# Altium PCB Audio-Streamer-Mainboard.PcbDoc (part 4 of 7) (continued)
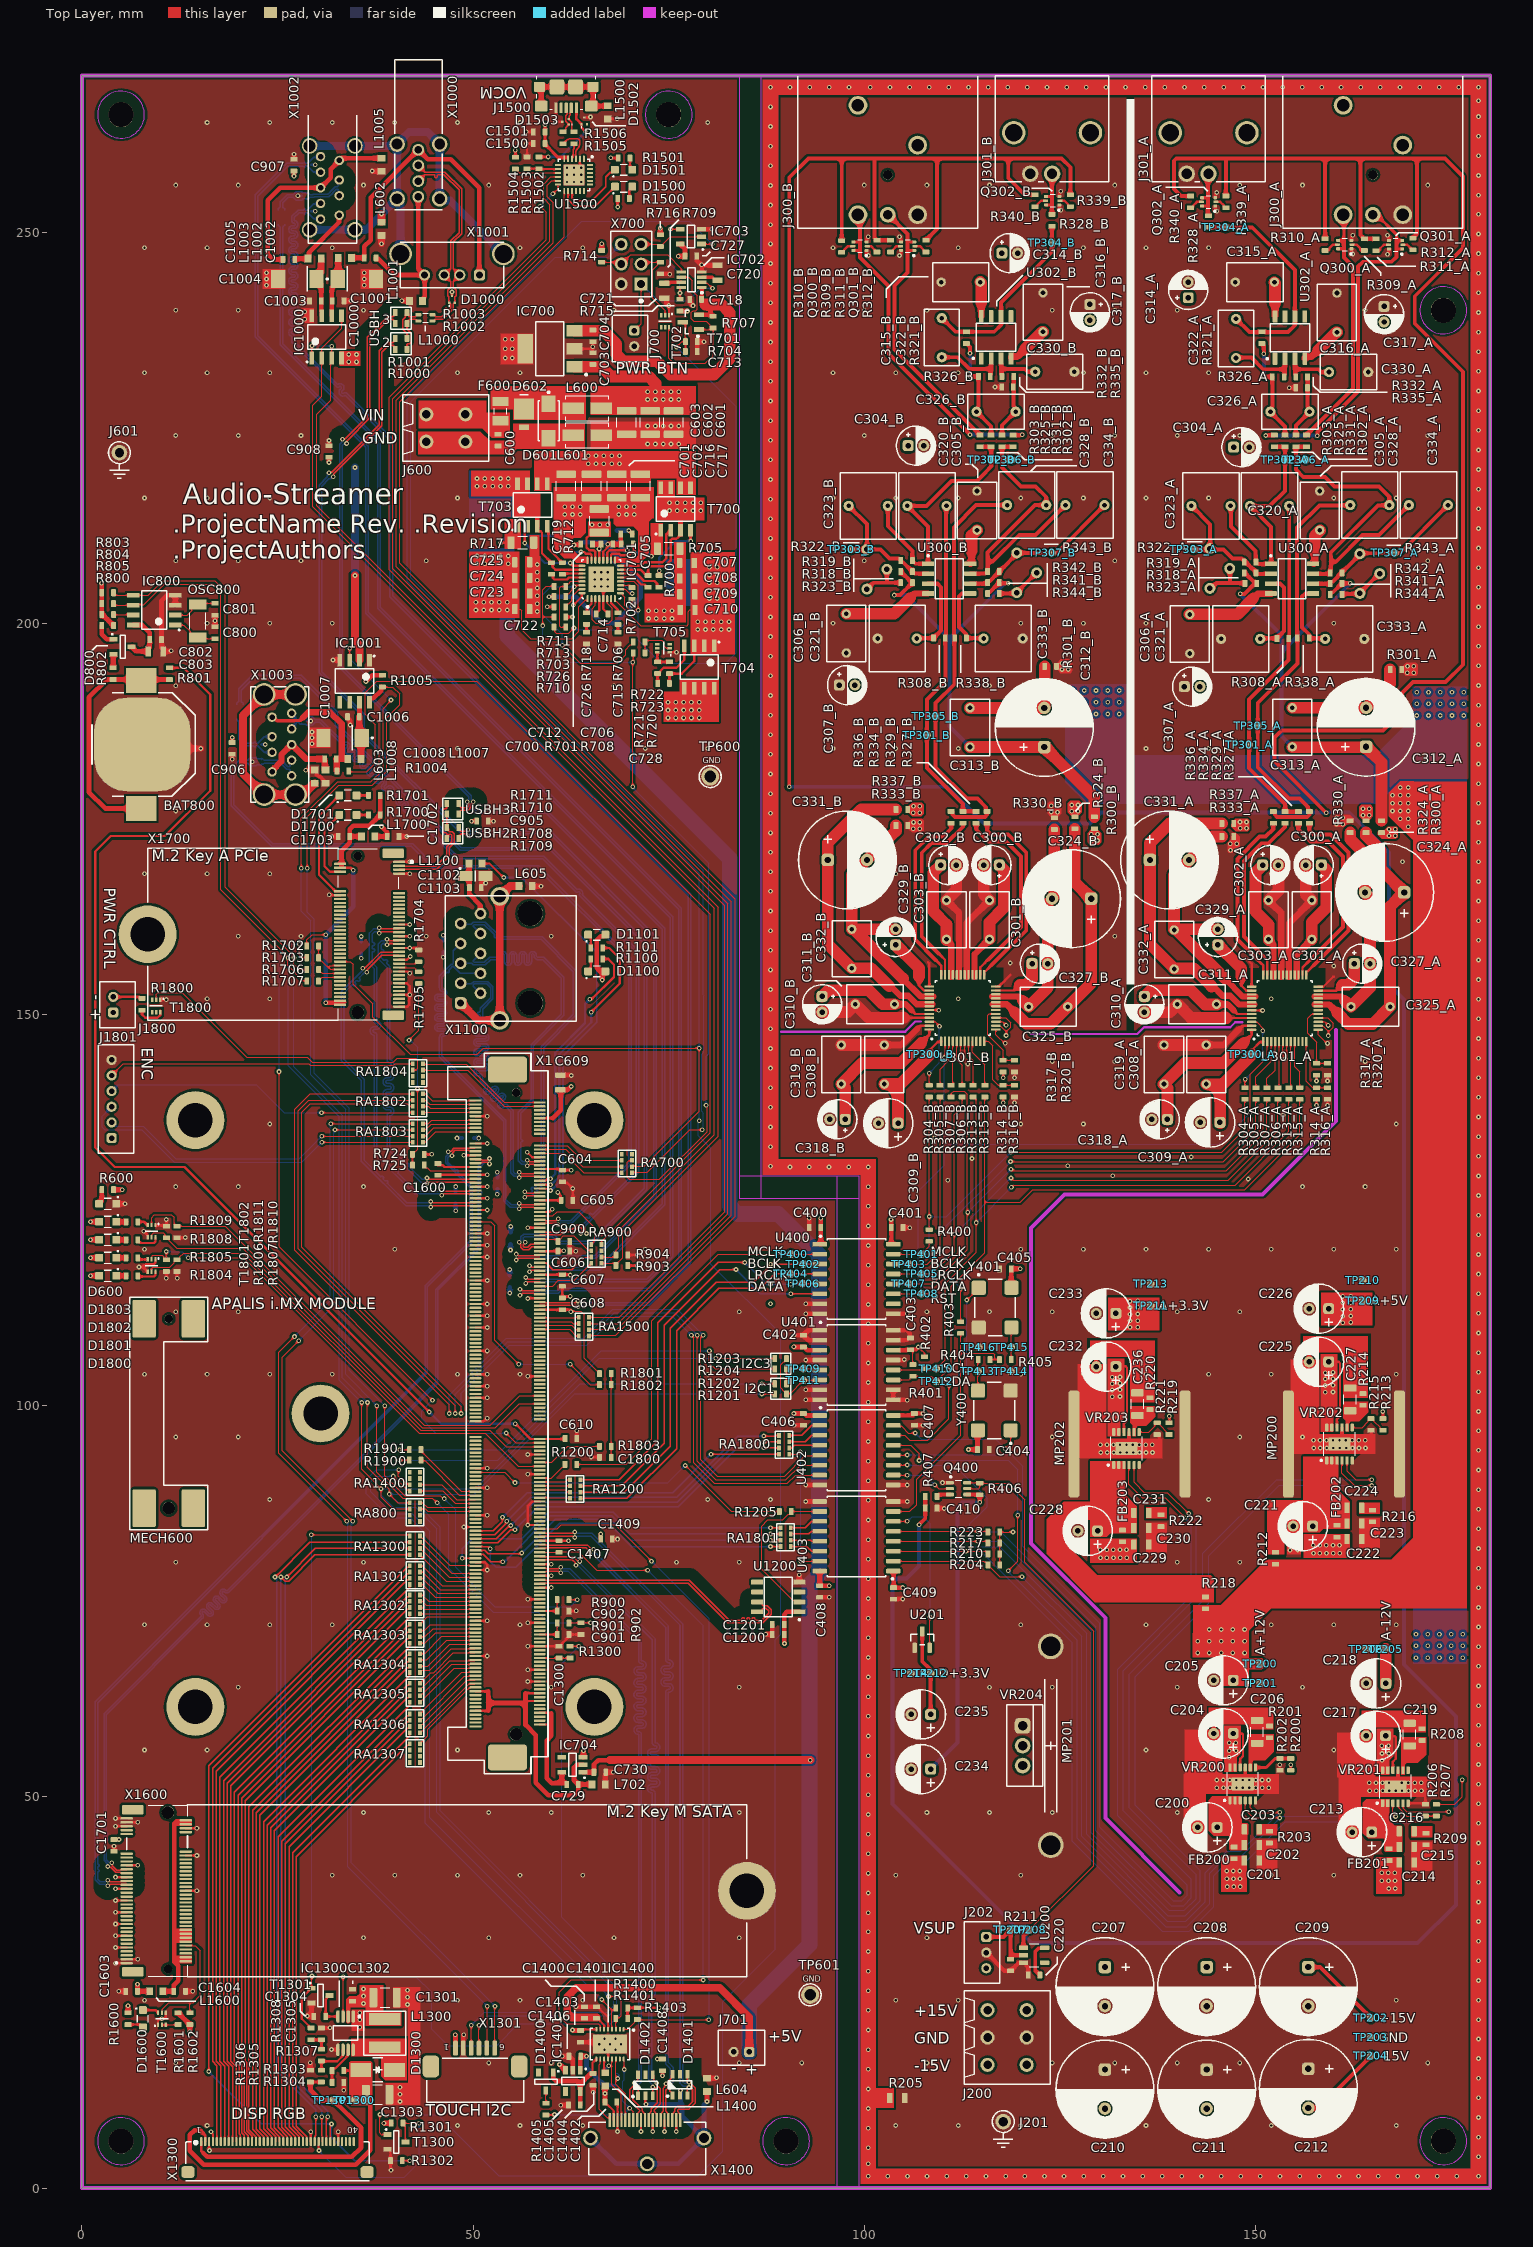
[diagram p0: Top Layer view]
## Nets (pads, with @x,y where several pads share a name; then routed paths per layer and width w, separated by ;. In a path a pad name is that pad's centre, name@x,y a point inside that pad or via, vN(x,y) a via of type N, cw(c..) or ccw(c..) an arc to the next point about the centre after c; other vN are vias at no path point) (continued)
HDMI1_TXD0_N: D1402.3 X1.236 X1400.9 | length 89.4
  Top Layer w0.198: X1.236@58.5,80.25 58.551,80.301 59.371,80.301 59.391,80.321 62.671,80.321 63.073,79.919 63.073,79.677 v1(63.15,79.6) ; X1400.9@72.46,8.7 72.46,9.45 72.611,9.601 72.611,9.638 72.781,9.808 72.781,10.144 73.547,10.91 73.547,12.586 73.278,12.854 73.037,12.854 v1(72.96,12.931) D1402.3@72.96,11.8
  Bottom Layer w0.198: v1(63.15,79.6) 63.227,79.523 63.468,79.523 72.9,70.092 72.9,56.946 ccw(c73.302,56.946) 73.302,56.544 cw(c73.302,56.346) 73.5,56.346 cw(c73.302,56.346) 73.302,56.148 72.856,56.148 ccw(c72.856,55.592) 72.856,55.036 73.302,55.036 cw(c73.302,54.838) 73.5,54.838 cw(c73.302,54.838) 73.302,54.64 72.856,54.64 ccw(c72.856,54.084) 72.856,53.528 73.302,53.528 cw(c73.302,53.33) 73.5,53.33 cw(c73.302,53.33) 73.302,53.132 72.856,53.132 ccw(c72.856,52.576) 72.856,52.02 73.302,52.02 cw(c73.302,51.822) 73.5,51.822 cw(c73.302,51.822) 73.302,51.624 72.856,51.624 ccw(c72.856,51.068) 72.856,50.512 cw(c72.856,50.468) 72.9,50.468 72.9,24.857 72.442,24.399 72.442,13.691 72.883,13.25 72.883,13.008 v1(72.96,12.931)
HDMI1_TXD0_P: D1402.4 X1.234 X1400.7 | length 90.1
  Top Layer w0.198: X1.234@58.5,80.75 58.551,80.699 59.371,80.699 59.391,80.679 62.819,80.679 63.326,80.172 63.568,80.172 v1(63.645,80.095) ; D1402.4@72.96,14.5 73.07,14.39 73.07,13.811 v1(73.455,13.426) 73.532,13.349 73.532,13.107 73.905,12.734 73.905,10.762 73.139,9.996 73.139,9.808 73.309,9.638 73.309,9.601 73.46,9.45 X1400.7@73.46,8.7
  Bottom Layer w0.198: v1(63.645,80.095) 63.722,80.018 63.722,79.776 73.258,70.24 73.258,56.946 ccw(c73.302,56.946) 73.302,56.902 cw(c73.302,56.346) 73.858,56.346 cw(c73.302,56.346) 73.302,55.79 72.856,55.79 ccw(c72.856,55.592) 72.856,55.394 73.302,55.394 cw(c73.302,54.838) 73.858,54.838 cw(c73.302,54.838) 73.302,54.282 72.856,54.282 ccw(c72.856,54.084) 72.856,53.886 73.302,53.886 cw(c73.302,53.33) 73.858,53.33 cw(c73.302,53.33) 73.302,52.774 72.856,52.774 ccw(c72.856,52.576) 72.856,52.378 73.302,52.378 cw(c73.302,51.822) 73.858,51.822 cw(c73.302,51.822) 73.302,51.266 72.856,51.266 ccw(c72.856,51.068) 72.856,50.87 cw(c72.856,50.468) 73.258,50.468 73.258,24.708 72.8,24.25 72.8,13.839 73.136,13.503 73.378,13.503 v1(73.455,13.426)
HDMI1_TXD1_N: D1401.6 X1.230 X1400.6 | length 90.1
  Top Layer w0.198: X1.230@58.5,81.75 58.551,81.801 59.371,81.801 59.391,81.821 64.471,81.821 64.823,81.469 64.823,81.227 v1(64.9,81.15) ; X1400.6@73.96,8.7 73.96,9.45 74.111,9.601 74.111,9.638 74.281,9.808 74.281,12.737 74.499,12.955 74.499,13.088 74.651,13.24 v1(74.651,13.349) 75.328,14.027 75.328,14.399 D1401.6@75.479,14.55
  Bottom Layer w0.198: v1(64.9,81.15) 64.977,81.073 65.219,81.073 74.6,71.692 74.6,67.546 ccw(c75.002,67.546) 75.002,67.144 cw(c75.002,66.946) 75.2,66.946 cw(c75.002,66.946) 75.002,66.748 74.556,66.748 ccw(c74.556,66.192) 74.556,65.636 75.002,65.636 cw(c75.002,65.438) 75.2,65.438 cw(c75.002,65.438) 75.002,65.24 74.556,65.24 ccw(c74.556,64.684) 74.556,64.128 75.002,64.128 cw(c75.002,63.93) 75.2,63.93 cw(c75.002,63.93) 75.002,63.732 ccw(c75.002,63.33) 74.6,63.33 74.6,15.894 75.195,15.299 75.195,13.651 74.97,13.426 74.728,13.426 v1(74.651,13.349)
HDMI1_TXD1_P: D1401.1 X1.228 X1400.4 | length 90.3
  Top Layer w0.198: X1.228@58.5,82.25 58.551,82.199 59.371,82.199 59.391,82.179 64.619,82.179 65.076,81.722 65.318,81.722 v1(65.395,81.645) ; X1400.4@74.96,8.7 74.96,9.45 74.809,9.601 74.809,9.638 74.639,9.808 74.639,12.589 74.647,12.597 74.717,12.597 74.975,12.854 v1(75.146,12.854) 75.146,12.392 75.262,12.276 75.328,12.276 75.479,12.125 D1401.1@75.479,11.85
  Bottom Layer w0.198: v1(65.395,81.645) 65.472,81.568 65.472,81.326 74.958,71.84 74.958,67.546 ccw(c75.002,67.546) 75.002,67.502 cw(c75.002,66.946) 75.558,66.946 cw(c75.002,66.946) 75.002,66.39 74.556,66.39 ccw(c74.556,66.192) 74.556,65.994 75.002,65.994 cw(c75.002,65.438) 75.558,65.438 cw(c75.002,65.438) 75.002,64.882 74.556,64.882 ccw(c74.556,64.684) 74.556,64.486 75.002,64.486 cw(c75.002,63.93) 75.558,63.93 cw(c75.002,63.93) 75.002,63.374 ccw(c75.002,63.33) 74.958,63.33 74.958,16.042 75.553,15.447 75.553,13.503 75.223,13.173 75.223,12.931 v1(75.146,12.854)
HDMI1_TXD2_N: D1401.3 X1.224 X1400.3 | length 90.6
  Top Layer w0.198: X1.224@59.1,83.25 X1.224@58.5,83.25 58.551,83.301 59.371,83.301 59.391,83.321 61.347,83.321 62.72,83.321 62.891,83.15 v1(63,83.15) ; X1400.3@75.46,8.7 75.46,9.45 75.611,9.601 75.611,9.638 75.781,9.808 75.781,10.121 76.113,10.453 77.46,10.453 78.042,11.035 78.042,12.638 v1@77.715,12.965 ; D1401.3@77.379,11.85 v1@77.379,12.85
  Bottom Layer w0.198: v1(63,83.15) 63.109,83.15 63.28,83.321 65.079,83.321 76.442,71.958 76.442,13.434 76.855,13.021 77.32,13.021 77.491,12.85 v1(77.6,12.85)
HDMI1_TXD2_P: D1401.4 X1.222 X1400.1 | length 90.8
  Top Layer w0.198: X1.222@58.5,83.75 58.551,83.699 59.371,83.699 59.391,83.679 61.198,83.679 62.72,83.679 62.891,83.85 v1(63,83.85) ; X1400.1@76.46,8.7 76.46,9.45 76.309,9.601 76.309,9.638 76.139,9.808 76.139,9.973 76.261,10.095 77.608,10.095 78.4,10.887 78.4,12.787 77.637,13.55 v1(77.6,13.55) ; v1@77.379,13.55 D1401.4@77.379,14.55
  Bottom Layer w0.198: v1(63,83.85) 63.109,83.85 63.28,83.679 65.227,83.679 76.8,72.106 76.8,13.582 77.003,13.379 77.32,13.379 77.491,13.55 v1(77.6,13.55)
HDMI1_VDISP: C1402.2 C1406.2 IC1401.1 L1400.2 R1402.2 R1404.2 X1400.18 | length 14.7
  Top Layer w0.25: C1402.2@66.85,10.982 66.85,10.832 67.025,10.657 67.175,10.657 67.96,9.872 X1400.18@67.96,8.7
  Top Layer w0.6: IC1401.1@63.7,15.051 63.7,16.651 63.75,16.701 C1406.2@63.75,16.851 v1(64.5,16.851) ; C1402.2@66.85,10.982 v1(66.85,12.1) 66.85,13.03 L1400.2@66.88,13.06
  Bottom Layer w0.3: R1404.2@66.85,13.05 R1404.2@66.95,13.15 R1402.2@68.3,13.15
  Bottom Layer w0.6: v1(64.5,16.851) 64.5,15.4 66.85,13.05 v1(66.85,12.1)
HDMI1_VDISP_L: IC1400.11 L1400.1 | length 1.8
  Top Layer w0.25: IC1400.11@66.75,16.505 66.75,14.87 L1400.1@66.88,14.74
I2C1_SCL: IC800.6 R804.1 R1202.2 R1707.1 RA800.7 X1301.3 | length 306.3
  Top Layer w0.15: R804.1@4.05,202.5 4.237,202.313 IC800.6@6.55,202.313 6.625,202.388 7.924,202.388 10.536,205 16.824,205 17.775,204.049 17.775,165.925 26.3,157.4 26.3,156.264 28.239,154.325 28.675,154.325 R1707.1@28.75,154.25 ; v1(35.75,100.4) 35.75,91.885 v1(38.235,89.4) 38.235,88.3 39.735,86.8 RA800.7@41.9,86.8 ; X1301.3@49.75,17.9 v1(49.75,20.8) ; v1(86.9,102.8) R1202.2@88.565,102.8
  Bottom Layer w0.15: v1(26.35,157.25) 26.35,143.45 32.9,136.9 32.9,103.25 v1(35.75,100.4) ; v1(49.75,20.8) 51.4,22.45 67.15,22.45 68,23.3 68,25.364 45.35,48.014 45.35,84.3 42.65,87 39.764,87 38.235,88.529 v1(38.235,89.4) 50.3,89.4 63.7,102.8 v1(86.9,102.8)
I2C1_SDA: IC800.5 R803.1 R1201.2 R1706.1 RA800.8 X1301.4 | length 301
  Top Layer w0.15: R803.1@4.05,203.9 4.05,203.808 4.275,203.583 IC800.5@6.55,203.583 8.483,203.583 10.35,205.45 17.01,205.45 18.3,204.16 18.3,166.25 27.1,157.45 27.1,156.4 27.75,155.75 R1706.1@28.75,155.75 ; v1(36.5,100.4) 36.5,92.1 39.3,89.3 v1(39.3,88.7) 40.4,87.6 RA800.8@41.9,87.6 ; X1301.4@50.75,17.9 v1(50.75,20.8) ; v1(86.9,101.5) R1201.2@88.565,101.5
  Bottom Layer w0.15: v1(27.1,157.25) 27.1,143.336 33.3,137.136 33.3,103.6 v1(36.5,100.4) ; v1@39.1,88.7 v1(39.3,88.7) ; v1(50.75,20.8) 51.95,22 67.336,22 68.379,23.043 68.379,25.621 45.8,48.2 45.8,84.486 42.836,87.45 40.55,87.45 v1(39.3,88.7) ; v1(86.9,101.5) 62.974,101.5 50.174,88.7 v1(39.3,88.7)
I2C2_DDC_SCL: IC1400.14 R1402.1 X1400.15 | length 9.5
  Top Layer w0.15: IC1400.14@68.25,16.505 v1@68.25,14 ; v1(68.475,14) v1@68.25,14 ; X1400.15@69.46,8.7 69.46,12.09 68.25,13.3 v1@68.25,14
  Bottom Layer w0.15: R1402.1@68.3,14.65 68.45,14.65 68.675,14.425 68.475,14.225 v1(68.475,14)
I2C2_DDC_SDA: IC1400.13 R1404.1 X1400.16 | length 9.9
  Top Layer w0.15: v1(67.325,15.625) 67.35,15.6 67.75,15.6 ; IC1400.13@67.75,16.505 67.75,15.6 ; X1400.16@68.96,8.7 68.96,11.98 67.75,13.19 67.75,15.6
  Bottom Layer w0.15: R1404.1@66.95,14.65 66.95,15.25 v1(67.325,15.625)
I2C2_SCL: IC1400.3 R1401.1 RA1400.5 | length 92
  Top Layer w0.15: v1(39.8,91) 41.625,89.175 41.825,89.175 RA1400.5@41.9,89.1 ; v1(67.3,24.5) 68.35,24.5 68.95,23.9 68.95,22.05 68.687,21.787 68.341,21.787 R1401.1@68.249,21.695 IC1400.3@68.25,20.295
  Bottom Layer w0.15: v1(39.8,91) 37.6,91 36.9,90.3 36.9,89 39.7,86.2 42.2,86.2 44.45,83.95 44.45,47.35 v1@67.178,24.622 ; v1(67.3,24.5) 67.378,24.5 v1@67.5,24.622
I2C2_SDA: IC1400.4 R1400.1 RA1400.6 | length 93.2
  Top Layer w0.15: v1(40.5,91.8) 40.45,91.8 40.45,90.95 41.425,89.975 41.825,89.975 RA1400.6@41.9,89.9 ; v1(66.435,24.1) 66.435,24.07 67.724,22.781 ; IC1400.4@67.75,20.295 67.724,20.32 67.724,22.781 ; R1400.1@68.336,22.729 68.336,22.958 R1400.1@68.249,23.045 68.249,23.006 68.024,22.781 67.724,22.781
  Bottom Layer w0.15: v1(40.5,91.8) 37.622,91.8 36.35,90.528 36.35,88.772 39.472,85.65 41.972,85.65 43.9,83.722 43.9,46.635 v1(66.435,24.1)
INT#: IC702.5 R714.2 X700.4 | length 12
  Top Layer w0.15: R714.2@66.435,246.15 68.685,246.15 X700.4@68.935,245.9 70.135,247.1 74.847,247.1 76.625,245.322 IC702.5@76.625,244.875
KILL#: IC702.8 IC703.4 R715.2 | length 11.6
  Top Layer w0.15: v1(75.2,250.366) 75.206,250.36 IC703.4@76.485,250.36 ; R715.2@76.435,241.4 v1(76.435,242.2) 76.435,242.8 76.56,242.925 IC702.8@76.625,242.925
  Bottom Layer w0.15: v1(75.2,250.366) 75.2,245.9 76.435,244.665 v1(76.435,242.2)
LCD1_B0: RA1305.7 X1300.21 | length 65.6
  Top Layer w0.165: X1300.21@25.25,5.95 25.25,6.582 24.145,7.687 24.145,46.033 41.604,63.492 41.732,63.492 41.9,63.659 RA1305.7@41.9,63.709
LCD1_B1: RA1305.6 X1300.22 | length 64.7
  Top Layer w0.165: X1300.22@25.75,5.95 25.75,6.582 24.61,7.722 24.61,45.698 41.604,62.692 41.732,62.692 41.9,62.859 RA1305.6@41.9,62.909
LCD1_B2: RA1305.5 X1300.23 | length 63.6
  Top Layer w0.165: X1300.23@26.25,5.95 26.25,6.582 25.075,7.757 25.075,44.902 41.9,61.727 RA1305.5@41.9,62.109
LCD1_B3: RA1306.8 X1300.24 | length 62
  Top Layer w0.165: X1300.24@26.75,5.95 26.75,6.582 25.54,7.792 25.54,44.319 41.604,60.382 41.732,60.382 41.9,60.55 RA1306.8@41.9,60.6
LCD1_B4: RA1306.7 X1300.25 | length 61
  Top Layer w0.165: X1300.25@27.25,5.95 27.25,6.582 26.005,7.827 26.005,43.984 41.604,59.582 41.732,59.582 41.9,59.75 RA1306.7@41.9,59.8
LCD1_B5: RA1306.6 X1300.26 | length 60
  Top Layer w0.165: X1300.26@27.75,5.95 27.75,6.582 26.47,7.862 26.47,43.649 41.604,58.782 41.732,58.782 41.9,58.95 RA1306.6@41.9,59
LCD1_B6: RA1306.5 X1300.27 | length 59
  Top Layer w0.165: X1300.27@28.25,5.95 28.25,6.582 26.935,7.898 26.935,42.853 41.9,57.817 RA1306.5@41.9,58.2
LCD1_B7: RA1307.8 X1300.28 | length 57.5
  Top Layer w0.165: X1300.28@28.75,5.95 28.75,6.582 27.4,7.933 27.4,42.379 41.604,56.582 41.732,56.582 41.9,56.75 RA1307.8@41.9,56.8
LCD1_DE: R1302.2 RA1301.8 X1300.34 | length 110.1
  Top Layer w0.165: v1(16.2,14.9) 16.24,14.94 16.24,53.969 41.604,79.332 41.732,79.332 41.9,79.5 RA1301.8@41.9,79.55 ; X1300.34@31.75,5.95 31.75,7.932 31.9,8.082 v1(31.9,8.2) ; R1302.2@40.95,3.5 v1(41.9,3.5)
  Bottom Layer w0.165: v1(16.2,14.9) 22.9,8.2 v1(31.9,8.2) 31.9,6.5 34.9,3.5 v1(41.9,3.5)
LCD1_G0: RA1303.7 X1300.13 | length 74.6
  Top Layer w0.165: X1300.13@21.25,5.95 21.25,6.692 20.725,7.217 20.725,15.9 20.425,16.2 20.425,49.854 41.604,71.032 41.732,71.032 41.9,71.2 RA1303.7@41.9,71.25
LCD1_G1: RA1303.6 X1300.14 | length 73.6
  Top Layer w0.165: X1300.14@21.75,5.95 21.75,6.637 21.04,7.347 21.04,16.05 20.89,16.2 20.89,49.519 41.604,70.233 41.732,70.233 41.9,70.4 RA1303.6@41.9,70.45
LCD1_G2: RA1303.5 X1300.15 | length 72.6
  Top Layer w0.165: X1300.15@22.25,5.95 22.25,6.582 21.355,7.477 21.355,48.723 41.9,69.268 RA1303.5@41.9,69.65
LCD1_G3: RA1304.8 X1300.16 | length 71.1
  Top Layer w0.165: X1300.16@22.75,5.95 22.75,6.582 21.82,7.512 21.82,48.299 41.604,68.082 41.732,68.082 41.9,68.25 RA1304.8@41.9,68.3
LCD1_G4: RA1304.7 X1300.17 | length 70.1
  Top Layer w0.165: X1300.17@23.25,5.95 23.25,6.582 22.285,7.547 22.285,47.964 41.604,67.282 41.732,67.282 41.9,67.45 RA1304.7@41.9,67.5
LCD1_G5: RA1304.6 X1300.18 | length 69.2
  Top Layer w0.165: X1300.18@23.75,5.95 23.75,6.582 22.75,7.582 22.75,47.629 41.604,66.482 41.732,66.482 41.9,66.65 RA1304.6@41.9,66.7
LCD1_G6: RA1304.5 X1300.19 | length 68.1
  Top Layer w0.165: X1300.19@24.25,5.95 24.25,6.582 23.215,7.617 23.215,46.833 41.9,65.517 RA1304.5@41.9,65.9
LCD1_G7: RA1305.8 X1300.20 | length 66.6
  Top Layer w0.165: X1300.20@24.75,5.95 24.75,6.582 23.68,7.652 23.68,46.368 41.604,64.292 41.732,64.292 41.9,64.459 RA1305.8@41.9,64.509
LCD1_HSYNC: RA1300.5 X1300.32 | length 92.4
  Top Layer w0.165: v1(25.435,78.1) 25.435,78.097 25.964,77.568 26.406,77.568 29.788,80.95 RA1300.5@41.9,80.95 ; v1(30.658,9.1) 30.658,6.675 30.75,6.582 X1300.32@30.75,5.95
  Bottom Layer w0.165: v1(25.435,78.1) 25.435,15.123 30.658,9.9 v1(30.658,9.1)
LCD1_PCLK: RA1300.7 X1300.30 | length 93.4
  Top Layer w0.165: v1(24.685,78.1) 24.685,78.103 29.132,82.55 RA1300.7@41.9,82.55 ; X1300.30@29.75,5.95 29.75,6.582 29.908,6.74 v1(29.908,9.1)
  Bottom Layer w0.165: v1(24.685,78.1) 24.903,77.883 24.903,69.767 24.903,14.997 29.908,9.992 v1(29.908,9.1)
LCD1_R0: RA1301.7 X1300.5 | length 83.5
  Top Layer w0.165: X1300.5@17.25,5.95 17.25,15.655 16.705,16.2 16.705,53.634 41.604,78.532 41.732,78.532 41.9,78.7 RA1301.7@41.9,78.75
LCD1_R1: RA1301.6 X1300.6 | length 82.6
  Top Layer w0.165: X1300.6@17.75,5.95 17.75,15.62 17.17,16.2 17.17,53.299 41.604,77.732 41.732,77.732 41.9,77.9 RA1301.6@41.9,77.95
LCD1_R2: RA1301.5 X1300.7 | length 81.5
  Top Layer w0.165: X1300.7@18.25,5.95 18.25,15.585 17.635,16.2 17.635,52.503 41.9,76.767 RA1301.5@41.9,77.15
LCD1_R3: RA1302.8 X1300.8 | length 80.1
  Top Layer w0.165: X1300.8@18.75,5.95 18.75,15.55 18.1,16.2 18.1,52.079 41.604,75.582 41.732,75.582 41.9,75.75 RA1302.8@41.9,75.8
LCD1_R4: RA1302.7 X1300.9 | length 79.1
  Top Layer w0.165: X1300.9@19.25,5.95 19.25,15.515 18.565,16.2 18.565,51.744 41.604,74.782 41.732,74.782 41.9,74.95 RA1302.7@41.9,75
LCD1_R5: RA1302.6 X1300.10 | length 78.1
  Top Layer w0.165: X1300.10@19.75,5.95 19.75,15.48 19.03,16.2 19.03,51.409 41.604,73.982 41.732,73.982 41.9,74.15 RA1302.6@41.9,74.2
LCD1_R6: RA1302.5 X1300.11 | length 77
  Top Layer w0.165: X1300.11@20.25,5.95 20.25,6.801 20.095,6.956 20.095,15.6 19.495,16.2 19.495,50.613 41.9,73.017 RA1302.5@41.9,73.4
LCD1_R7: RA1303.8 X1300.12 | length 75.6
  Top Layer w0.165: X1300.12@20.75,5.95 20.75,6.746 20.41,7.086 20.41,15.75 19.96,16.2 19.96,50.189 41.604,71.832 41.732,71.832 41.9,72 RA1303.8@41.9,72.05
LCD1_VSYNC: RA1300.6 X1300.33 | length 91.8
  Top Layer w0.165: v1(26.185,78.1) 29.835,81.75 RA1300.6@41.9,81.75 ; X1300.33@31.25,5.95 31.25,8.943 v1(31.408,9.1)
  Bottom Layer w0.165: v1(26.185,78.1) 25.967,77.883 25.967,69.767 25.968,15.248 31.408,9.808 v1(31.408,9.1)
LCD_DISP_B: R1301.1 T1300.3 X1300.31 | length 25.7
  Top Layer w0.15: X1300.31@30.25,5.95 30.25,4.85 v1(30.3,4.8) ; R1301.1@41.05,8.3 v1(43.1,8.3)
  Top Layer w0.165: R1301.1@41.05,8.3 41.05,8.15 41.35,7.85 T1300.3@41.35,5.9
  Bottom Layer w0.15: v1(30.3,4.8) 33.7,1.4 41.2,1.4 43.1,3.3 v1(43.1,8.3)
LDO+1.8V_A: C308_A.2 C309_A.P TP300_A.1 U301_A.1 | length 14.9
  Top Layer w0.3: TP300_A.1@149.581,144.882 149.581,145.482 150.576,146.476 151,146.476 U301_A.1@151,146.55
  Top Layer w1.5: C308_A.2@143.741,141.082 145.491,141.082 ; C309_A.P@145.491,136.082 145.491,141.082 ; TP300_A.1@149.581,144.882 145.781,141.082 145.491,141.082
LDO+1.8V_B: C308_B.2 C309_B.P TP300_B.1 U301_B.1 | length 14.9
  Top Layer w0.3: TP300_B.1@108.4,144.9 108.4,145.5 109.395,146.495 109.819,146.495 U301_B.1@109.819,146.568
  Top Layer w1.5: C308_B.2@102.56,141.1 104.31,141.1 ; C309_B.P@104.31,136.1 104.31,141.1 ; TP300_B.1@108.4,144.9 104.6,141.1 104.31,141.1
LED_4_GREEN: R1806.1 T1801.2 X1.188 | length 62.7
  Top Layer w0.15: T1801.2@8.9,118.69 8.9,119.038 9.062,119.2 10.25,119.2 10.438,119.012 10.438,118.875 10.663,118.65 R1806.1@10.8,118.65 v1(10.8,119.7) ; v1(13.6,118.9) 20.7,118.9 43.1,96.5 51.54,96.5 55.79,92.25 X1.188@58.5,92.25
  Bottom Layer w0.15: v1(10.8,119.7) 12.8,119.7 v1(13.6,118.9)
LED_4_RED: R1807.1 T1801.5 X1.178 | length 61.2
  Top Layer w0.15: T1801.5@8.9,117.11 8.902,117.112 8.902,117.532 9.07,117.7 11.2,117.7 11.788,118.288 11.788,118.425 12.013,118.65 R1807.1@12.15,118.65 12.287,118.65 12.512,118.875 12.512,119.012 13,119.5 20.65,119.5 43.301,96.85 52.15,96.85 54.25,94.75 X1.178@58.5,94.75
LED_5_GREEN: R1810.1 T1802.2 X1.152 | length 63.9
  Top Layer w0.15: T1802.2@8.9,123.04 8.9,124.038 9.262,124.4 11.45,124.4 11.788,124.062 11.788,123.175 12.013,122.95 R1810.1@12.15,122.95 18.33,122.95 43.764,97.516 52.216,97.516 55.95,101.25 X1.152@58.5,101.25
LED_5_RED: R1811.1 T1802.5 X1.156 | length 61.9
  Top Layer w0.15: T1802.5@8.9,121.46 8.9,121.83 9.17,122.1 10.38,122.1 10.593,121.887 10.593,121.657 R1811.1@10.8,121.45 10.937,121.45 11.162,121.225 11.162,121.088 12.125,120.125 20.575,120.125 43.495,97.206 52.838,97.206 55.882,100.25 X1.156@58.5,100.25
LP_A_N: C320_A.2 C323_A.1 R303_A.2 R319_A.1 R325_A.2 TP302_A.1 U300_A.1 | length 30.9
  Top Layer w0.5: C323_A.1@146.86,214.96 146.86,212.36 150.01,209.21 R319_A.1@150.01,207.96 ; R319_A.1@150.21,207.76 150.405,207.565 152,207.565 152,212.32 149.36,214.96 151.81,214.96 153.765,216.915 R325_A.2@153.765,222.55 R303_A.2@152.4,222.55
LP_A_P: C328_A.2 C334_A.1 R302_A.2 R331_A.2 R342_A.1 TP306_A.1 U300_A.7 | length 47.4
  Top Layer w0.5: TP306_A.1@156.425,220.9 155.25,220.9 155.15,221 ; R302_A.2@156.5,222.55 R331_A.2@155.15,222.55 155.15,221 ; U300_A.7@157.4,206.295 159.267,206.295 R342_A.1@159.332,206.36 ; R342_A.1@159.61,206.56 159.61,207.86 ; C334_A.1@169.56,215.06 165.76,211.26 163.66,211.26 160.26,207.86 159.61,207.86 ; 155.15,221 155.15,219.65 156.1,218.7 158.86,218.7 160.1,217.46 165.76,217.46 167.11,216.11 167.11,215.06 165.65,215.06 159.61,209.02 159.61,207.86
LP_B_N: C320_B.2 C323_B.1 R303_B.2 R319_B.1 R325_B.2 TP302_B.1 U300_B.1 | length 35.4
  Top Layer w0.5: C323_B.1@103,215 103,212.4 106.15,209.25 R319_B.1@106.15,208 ; R319_B.1@106.35,207.8 106.545,207.605 U300_B.1@108.14,207.605 108.14,212.36 C320_B.2@105.5,215 107.95,215 111.15,218.2 114.4,218.2 115.472,219.272 115.472,219.3 116.2,220.028 TP302_B.1@116.2,220.9 R325_B.2@116.2,222.55 R303_B.2@114.8,222.55
LP_B_P: C328_B.2 C334_B.1 R302_B.2 R331_B.2 R342_B.1 TP306_B.1 U300_B.7 | length 40.9
  Top Layer w0.5: U300_B.7@113.54,206.335 115.407,206.335 R342_B.1@115.472,206.4 ; R342_B.1@115.75,206.6 115.75,207.9 ; TP306_B.1@118.845,220.9 117.6,220.9 ; R302_B.2@119,222.55 R331_B.2@117.6,222.55 117.6,220.9 ; C334_B.1@125.7,215.1 121.9,211.3 119.8,211.3 116.4,207.9 115.75,207.9 ; 115.75,207.9 115.75,209.06 121.79,215.1 C328_B.2@123.25,215.1 123.25,216.15 121.9,217.5 120,217.5 117.6,219.9 117.6,220.9
MCLK_N: U1200.8 X1.246 | length 35
  Top Layer w0.165: X1.246@58.5,77.75 58.568,77.682 59.249,77.682 59.264,77.667 77.646,77.667 82.714,72.6 83.7,72.6 84.003,72.6 84.186,72.6 ccw(c84.186,72.749) 84.336,72.749 cw(c84.502,72.749) 84.502,72.916 cw(c84.502,72.749) 84.669,72.749 ccw(c84.818,72.749) 84.818,72.6 84.852,72.6 ccw(c84.852,72.749) 85.002,72.749 cw(c85.168,72.749) 85.168,72.916 cw(c85.168,72.749) 85.335,72.749 ccw(c85.484,72.749) 85.484,72.6 85.518,72.6 ccw(c85.518,72.749) 85.668,72.749 cw(c85.834,72.749) 85.834,72.916 cw(c85.834,72.749) 86.001,72.749 ccw(c86.15,72.749) 86.15,72.6 86.334,72.6 86.5,72.6 86.9,72.6 87.761,73.461 87.761,73.784 87.432,74.113 87.072,74.113 86.976,74.016 86.976,73.863 86.758,73.645 U1200.8@86.3,73.645
MCLK_P: U1200.7 X1.248 | length 35.1
  Top Layer w0.165: X1.248@58.5,77.25 58.568,77.317 59.249,77.317 59.264,77.333 77.507,77.333 82.575,72.265 87.039,72.265 88.096,73.323 88.096,73.923 87.571,74.448 87.072,74.448 86.976,74.544 86.976,74.698 86.758,74.915 U1200.7@86.3,74.915
MUTE_A: C410.1 R309_A.1 R309_B.1 R310_A.1 R310_B.1 R311_A.1 R311_B.1 R312_A.1 R312_B.1 R339_A.2 R339_B.2 R340_A.2 R340_B.2 R407.1 | length 693
  Top Layer w0.5: v1(90.4,179.1) 90.4,256.95 92.85,259.4 97.11,259.4 ; R310_B.1@97.11,248.897 97.11,259.4 ; 101.31,259.25 101.3,259.24 101.3,249.257 101.41,249.147 101.41,248.997 101.46,248.947 R309_B.1@101.61,248.947 R311_B.1@103.36,248.947 ; v1(107,84.8) 107.79,85.59 C410.1@107.79,86.9 R407.1@107.79,88.4 ; R312_B.1@107.86,248.947 108.01,248.947 108.06,248.997 108.06,249.147 109.3,250.387 109.3,259.4 ; R340_B.2@121.825,254.75 120.55,254.75 118.4,256.9 118.4,259.4 ; R339_B.2@126.325,254.75 126.325,258.275 125.2,259.4 118.4,259.4 ; R340_A.2@141.7,254.6 140.5,254.6 139.6,255.5 139.6,259.107 139.893,259.4 146.1,259.4 ; R339_A.2@146.2,254.6 146.2,259.3 146.1,259.4 ; R310_A.1@158.9,249.144 158.9,259.4 ; v1(159.05,175.794) 159.023,175.794 158.973,175.844 158.966,175.844 152.4,182.41 152.4,185.4 153.3,186.3 166.3,186.3 168.7,188.7 168.7,191.098 170.102,192.5 174.3,192.5 176.5,194.7 176.5,232.143 170.35,238.293 170.35,241.794 176.5,247.944 176.5,257.1 174.2,259.4 170.625,259.4 ; R311_A.1@165.4,249.124 163.92,249.124 R309_A.1@163.9,249.144 163.75,249.144 163.7,249.194 163.7,249.344 163.4,249.644 163.4,259.4 ; R312_A.1@170.1,249.217 170.25,249.217 170.3,249.267 170.3,249.45 170.625,249.775 170.625,259.4 ; 97.11,259.4 109.3,259.4 ; 109.3,259.4 118.4,259.4 ; 146.1,259.4 158.9,259.4 ; 158.9,259.4 163.4,259.4 ; 163.4,259.4 170.625,259.4
  Bottom Layer w0.5: v1(90.4,179.1) 110.6,179.1 115.3,174.4 128.84,174.4 130.234,175.794 v1(159.05,175.794) 159.069,175.813 159.14,175.813 159.171,175.844 161.956,175.844 167.075,170.725 167.075,153.825 169,151.9 169,66.9 175.6,60.3 175.6,36.2 170.7,31.3 121.4,31.3 103.6,49.1 103.6,77.3 104.2,77.9 105.4,77.9 107,79.5 v1(107,84.8)
MXM3_1_M: RA1802.4 X1.1 | length 7.1
  Top Layer w0.15: RA1802.4@43.58,139.85 43.905,139.85 44.755,139 X1.1@50.3,139
MXM3_2_M: RA1804.5 X1.2 | length 17
  Top Layer w0.15: RA1804.5@43.58,143.7 43.655,143.625 49.111,143.625 53.986,138.75 X1.2@58.5,138.75
MXM3_3_M: RA1802.3 X1.3 | length 6.9
  Top Layer w0.15: RA1802.3@43.58,139.05 43.905,139.05 44.455,138.5 X1.3@50.3,138.5
MXM3_4_M: RA1804.6 X1.4 | length 16.8
  Top Layer w0.15: RA1804.6@43.58,142.9 49.336,142.9 53.986,138.25 X1.4@58.5,138.25
MXM3_5_M: RA1802.2 X1.5 | length 6.8
  Top Layer w0.15: RA1802.2@43.58,138.25 44.281,138.25 44.531,138 X1.5@50.3,138
MXM3_6_M: X1.6
MXM3_7_M: RA1802.1 X1.7 | length 6.7
  Top Layer w0.15: RA1802.1@43.58,137.45 43.905,137.45 43.955,137.5 X1.7@50.3,137.5
MXM3_8_M: X1.8
MXM3_11_M: RA1803.4 X1.11 | length 6.9
  Top Layer w0.15: RA1803.4@43.58,136.05 44.281,136.05 44.731,136.5 X1.11@50.3,136.5
MXM3_13_M: RA1803.3 X1.13 | length 7
  Top Layer w0.15: RA1803.3@43.58,135.25 43.905,135.25 44.655,136 X1.13@50.3,136
MXM3_15_M: RA1803.2 X1.15 | length 7.2
  Top Layer w0.15: RA1803.2@43.58,134.45 43.905,134.45 44.955,135.5 X1.15@50.3,135.5
MXM3_17_M: RA1803.1 X1.17 | length 7.3
  Top Layer w0.15: RA1803.1@43.58,133.65 43.905,133.65 45.255,135 X1.17@50.3,135
MXM3_24_M: RA700.2 X1.24 | length 11.3
  Top Layer w0.15: X1.24@58.5,133.25 62.05,133.25 63.949,131.351 RA700.2@69,131.351
MXM3_26_M: RA700.3 X1.26 | length 11.4
  Top Layer w0.15: X1.26@58.5,132.75 61.843,132.75 64.041,130.551 RA700.3@69,130.551
MXM3_28_M: RA700.4 X1.28 | length 11.5
  Top Layer w0.15: X1.28@58.5,132.25 61.636,132.25 64.134,129.751 RA700.4@69,129.751
MXM3_35_M: C1600.2 X1.35 | length 4.9
  Top Layer w0.3: C1600.2@45.5,130.75 46.1,130.75 46.35,130.5 X1.35@50.3,130.5
MXM3_37_M: R725.1 X1.37 | length 6.9
  Top Layer w0.15: R725.1@43.75,130.75 43.75,130.613 43.975,130.388 44.112,130.388 44.5,130 X1.37@50.3,130
MXM3_60_M: RA900.1 X1.60 | length 10.5
  Top Layer w0.15: X1.60@58.5,124.25 60.2,124.25 60.75,124.8 63.5,124.8 65.568,122.732 65.568,121.068 65.325,120.825 65.275,120.825 65.1,120.65 RA900.1@65.1,120.6
MXM3_72_M: C900.2 RA900.2 X1.72 | length 7.7
  Top Layer w0.15: X1.72@58.5,121.25 60.737,121.25 60.85,121.137 61.075,121.362 61.212,121.362 61.55,121.7 62.868,121.7 64.713,119.855 65.045,119.855 RA900.2@65.1,119.8
MXM3_84_M: RA900.3 X1.84 | length 7.6
  Top Layer w0.15: 63.488,118.25 64.238,119 RA900.3@65.1,119
  Top Layer w0.165: X1.84@58.5,118.25 58.535,118.215 59.385,118.215 60.2,117.4 62.638,117.4 63.488,118.25
MXM3_96_M: RA900.4 X1.96 | length 7.9
  Top Layer w0.15: X1.96@58.5,115.25 60.15,115.25 60.9,116 62.9,116 64.875,117.975 64.925,117.975 65.1,118.15 RA900.4@65.1,118.2
MXM3_110_M: X1.110
MXM3_112_M: RA1500.1 X1.112 | length 5
  Top Layer w0.15: X1.112@58.5,111.25 63.125,111.25 63.175,111.3 RA1500.1@63.5,111.3
MXM3_114_M: RA1500.2 X1.114 | length 5.1
  Top Layer w0.15: X1.114@58.5,110.75 62.549,110.75 62.799,110.5 RA1500.2@63.5,110.5
MXM3_116_M: RA1500.3 X1.116 | length 5.2
  Top Layer w0.15: X1.116@58.5,110.25 62.625,110.25 63.175,109.7 RA1500.3@63.5,109.7
MXM3_118_M: RA1500.4 X1.118 | length 5.4
  Top Layer w0.15: X1.118@58.5,109.75 62.325,109.75 63.175,108.9 RA1500.4@63.5,108.9
MXM3_120_M: X1.120
MXM3_122_M: X1.122
MXM3_124_M: X1.124
MXM3_126_M: X1.126
MXM3_128_M: X1.128
MXM3_130_M: X1.130
MXM3_132_M: X1.132
MXM3_134_M: X1.134
MXM3_136_M: X1.136
MXM3_138_M: X1.138
MXM3_140_M: X1.140
MXM3_191_M: R1205.2 X1.191 | length 42.7
  Top Layer w0.15: X1.191@50.3,91.5 50.325,91.475 54.046,91.475 v1(55.351,90.17) ; v1(77.1,92.363) 82.983,86.48 R1205.2@89.15,86.48
  Bottom Layer w0.15: v1(55.351,90.17) 74.907,90.17 v1(77.1,92.363)
MXM3_201_M: R1901.1 X1.201 | length 9.3
  Top Layer w0.15: R1901.1@43.35,94.37 43.425,94.295 43.425,94.114 48.464,89.075 50.225,89.075 X1.201@50.3,89
MXM3_203_M: R1900.1 X1.203 | length 8.8
  Top Layer w0.15: R1900.1@43.35,93.04 43.425,92.965 43.867,92.965 48.257,88.575 50.225,88.575 X1.203@50.3,88.5
MXM3_205_M: RA1400.2 X1.205 | length 7.9
  Top Layer w0.15: RA1400.2@43.2,89.9 46.015,89.9 47.915,88 X1.205@50.3,88
MXM3_207_M: RA1400.1 X1.207 | length 7.8
  Top Layer w0.15: RA1400.1@43.2,89.1 46.143,89.1 47.743,87.5 X1.207@50.3,87.5
MXM3_209_M: RA800.4 X1.209 | length 7.3
  Top Layer w0.15: RA800.4@43.2,87.6 43.525,87.6 44.125,87 X1.209@50.3,87
MXM3_211_M: RA800.3 X1.211 | length 7.2
  Top Layer w0.15: RA800.3@43.2,86.8 43.901,86.8 44.201,86.5 X1.211@50.3,86.5
MXM3_221_M: RA1800.4 X1.221 | length 43.2
  Top Layer w0.165: X1.221@50.3,84 52.55,84 53.743,85.193 53.743,85.723 v1(53.76,85.74) ; v1(80.4,93.8) RA1800.4@89.1,93.8
  Bottom Layer w0.165: v1(53.76,85.74) 56.92,88.9 75.5,88.9 v1(80.4,93.8)
MXM3_223_M: RA1800.1 X1.223 | length 44.2
  Top Layer w0.165: X1.223@50.3,83.5 52.757,83.5 54.29,85.033 v1(54.29,85.21) ; v1(87.145,96.114) 88.682,96.114 88.767,96.2 RA1800.1@89.1,96.2
  Bottom Layer w0.165: v1(54.29,85.21) 57.38,88.3 76.007,88.3 83.822,96.114 v1(87.145,96.114)
MXM3_225_M: RA1800.2 X1.225 | length 43.9
  Top Layer w0.165: X1.225@50.3,83 52.964,83 54.644,84.68 v1(54.82,84.68) ; v1(87.145,95.364) 88.732,95.364 88.767,95.4 RA1800.2@89.1,95.4
  Bottom Layer w0.165: v1(54.82,84.68) 57.791,87.65 76.064,87.65 83.779,95.364 v1(87.145,95.364)
MXM3_227_M: RA1800.3 X1.227 | length 43.8
  Top Layer w0.165: X1.227@50.3,82.5 53.171,82.5 54.803,84.132 55.334,84.132 v1(55.351,84.149) ; v1(87.145,94.614) 88.753,94.614 88.767,94.6 RA1800.3@89.1,94.6
  Bottom Layer w0.165: v1(55.351,84.149) 58.302,87.1 76.221,87.1 83.736,94.614 v1(87.145,94.614)
MXM3_229_M: RA1801.4 X1.229 | length 44.7
  Top Layer w0.165: X1.229@50.3,82 51.886,82 52.186,81.7 v1(52.2,81.7) ; v1(88,82) RA1801.4@89.3,82
  Bottom Layer w0.165: v1(52.2,81.7) 52.2,80.058 52.929,79.329 55.429,79.329 61.1,85 67.307,85 70.307,82 v1(88,82)